# Altium PCB PCB2.PcbDoc (part 2 of 2)
Units mm, origin at the board's own origin, x right, y up, seen from the top; angles counter-clockwise.
Board outline 124.33 x 164.59 mm, 2 copper layers (Top Layer, Bottom Layer); 320 components, 0 nets, 960 pads, 0 vias.
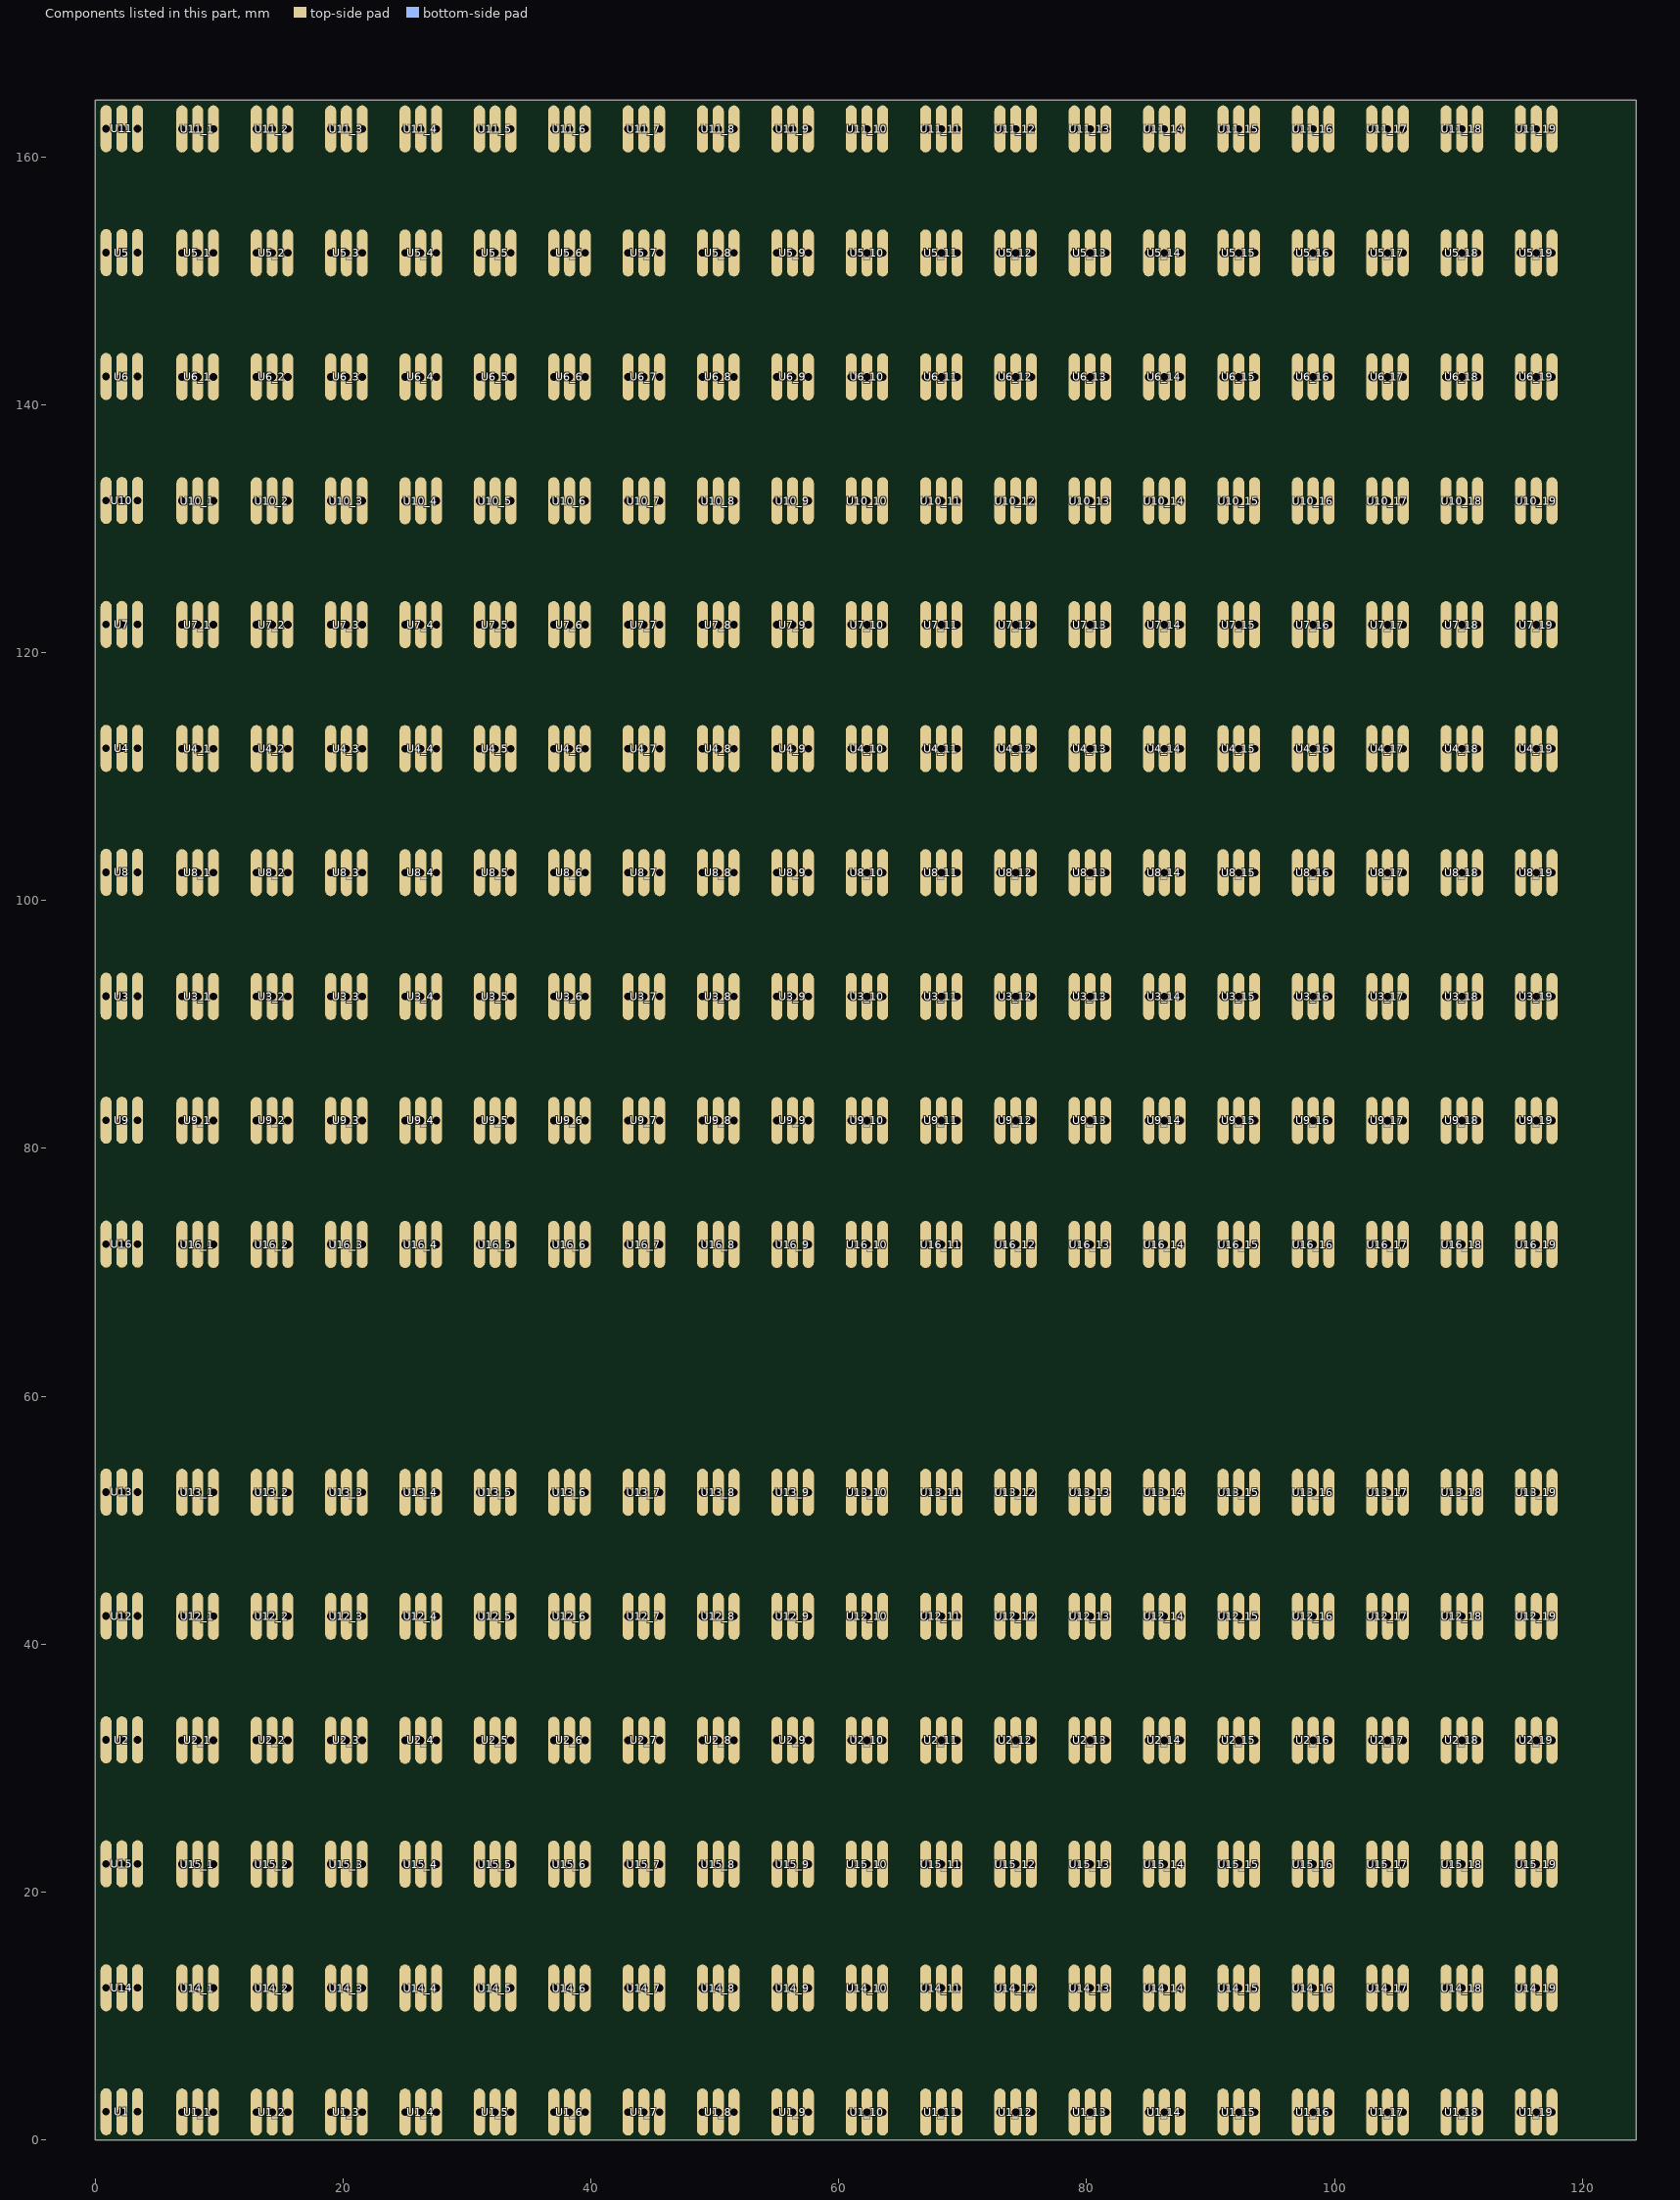
[diagram p2: the components of this part, seen from the top]

## Nets (pads, with @x,y where several pads share a name; then routed paths per layer and width w, separated by ;. In a path a pad name is that pad's centre, name@x,y a point inside that pad or via, vN(x,y) a via of type N, cw(c..) or ccw(c..) an arc to the next point about the centre after c; other vN are vias at no path point) (continued)
copper on no net: | length 19200
  Top Layer w0.8: 0.875,2.272 0.875,12.272 0.875,22.272 0.875,32.272 0.875,42.272 0.875,52.272 0.875,72.272 0.875,82.272 0.875,92.272 0.875,102.272 0.875,112.272 0.875,122.272 0.875,132.272 0.875,142.272 0.875,152.272 0.875,162.272 ; 2.145,2.272 2.145,12.272 2.145,22.272 2.145,32.272 2.145,42.272 2.145,52.272 2.145,72.272 2.145,82.272 2.145,92.272 2.145,102.272 2.145,112.272 2.145,122.272 2.145,132.272 2.145,142.272 2.145,152.272 2.145,162.272 ; 3.415,2.272 3.415,12.272 3.415,22.272 3.415,32.272 3.415,42.272 3.415,52.272 3.415,72.272 3.415,82.272 3.415,92.272 3.415,102.272 3.415,112.272 3.415,122.272 3.415,132.272 3.415,142.272 3.415,152.272 3.415,162.272 ; 7,2.247 7,12.247 7,22.247 7,32.247 7,42.247 7,52.247 7,72.247 7,82.247 7,92.247 7,102.247 7,112.247 7,122.247 7,132.247 7,142.247 7,152.247 7,162.247 ; 8.27,2.247 8.27,12.247 8.27,22.247 8.27,32.247 8.27,42.247 8.27,52.247 8.27,72.247 8.27,82.247 8.27,92.247 8.27,102.247 8.27,112.247 8.27,122.247 8.27,132.247 8.27,142.247 8.27,152.247 8.27,162.247 ; 9.54,2.247 9.54,12.247 9.54,22.247 9.54,32.247 9.54,42.247 9.54,52.247 9.54,72.247 9.54,82.247 9.54,92.247 9.54,102.247 9.54,112.247 9.54,122.247 9.54,132.247 9.54,142.247 9.54,152.247 9.54,162.247 ; 13,2.247 13,12.247 13,22.247 13,32.247 13,42.247 13,52.247 13,72.247 13,82.247 13,92.247 13,102.247 13,112.247 13,122.247 13,132.247 13,142.247 13,152.247 13,162.247 ; 14.27,2.247 14.27,12.247 14.27,22.247 14.27,32.247 14.27,42.247 14.27,52.247 14.27,72.247 14.27,82.247 14.27,92.247 14.27,102.247 14.27,112.247 14.27,122.247 14.27,132.247 14.27,142.247 14.27,152.247 14.27,162.247 ; 15.54,2.247 15.54,12.247 15.54,22.247 15.54,32.247 15.54,42.247 15.54,52.247 15.54,72.247 15.54,82.247 15.54,92.247 15.54,102.247 15.54,112.247 15.54,122.247 15.54,132.247 15.54,142.247 15.54,152.247 15.54,162.247 ; 19,2.247 19,12.247 19,22.247 19,32.247 19,42.247 19,52.247 19,72.247 19,82.247 19,92.247 19,102.247 19,112.247 19,122.247 19,132.247 19,142.247 19,152.247 19,162.247 ; 20.27,2.247 20.27,12.247 20.27,22.247 20.27,32.247 20.27,42.247 20.27,52.247 20.27,72.247 20.27,82.247 20.27,92.247 20.27,102.247 20.27,112.247 20.27,122.247 20.27,132.247 20.27,142.247 20.27,152.247 20.27,162.247 ; 21.54,2.247 21.54,12.247 21.54,22.247 21.54,32.247 21.54,42.247 21.54,52.247 21.54,72.247 21.54,82.247 21.54,92.247 21.54,102.247 21.54,112.247 21.54,122.247 21.54,132.247 21.54,142.247 21.54,152.247 21.54,162.247 ; 25,2.247 25,12.247 25,22.247 25,32.247 25,42.247 25,52.247 25,72.247 25,82.247 25,92.247 25,102.247 25,112.247 25,122.247 25,132.247 25,142.247 25,152.247 25,162.247 ; 26.27,2.247 26.27,12.247 26.27,22.247 26.27,32.247 26.27,42.247 26.27,52.247 26.27,72.247 26.27,82.247 26.27,92.247 26.27,102.247 26.27,112.247 26.27,122.247 26.27,132.247 26.27,142.247 26.27,152.247 26.27,162.247 ; 27.54,2.247 27.54,12.247 27.54,22.247 27.54,32.247 27.54,42.247 27.54,52.247 27.54,72.247 27.54,82.247 27.54,92.247 27.54,102.247 27.54,112.247 27.54,122.247 27.54,132.247 27.54,142.247 27.54,152.247 27.54,162.247 ; 31,2.247 31,12.247 31,22.247 31,32.247 31,42.247 31,52.247 31,72.247 31,82.247 31,92.247 31,102.247 31,112.247 31,122.247 31,132.247 31,142.247 31,152.247 31,162.247 ; 32.27,2.247 32.27,12.247 32.27,22.247 32.27,32.247 32.27,42.247 32.27,52.247 32.27,72.247 32.27,82.247 32.27,92.247 32.27,102.247 32.27,112.247 32.27,122.247 32.27,132.247 32.27,142.247 32.27,152.247 32.27,162.247 ; 33.54,2.247 33.54,12.247 33.54,22.247 33.54,32.247 33.54,42.247 33.54,52.247 33.54,72.247 33.54,82.247 33.54,92.247 33.54,102.247 33.54,112.247 33.54,122.247 33.54,132.247 33.54,142.247 33.54,152.247 33.54,162.247 ; 37,2.247 37,12.247 37,22.247 37,32.247 37,42.247 37,52.247 37,72.247 37,82.247 37,92.247 37,102.247 37,112.247 37,122.247 37,132.247 37,142.247 37,152.247 37,162.247 ; 38.27,2.247 38.27,12.247 38.27,22.247 38.27,32.247 38.27,42.247 38.27,52.247 38.27,72.247 38.27,82.247 38.27,92.247 38.27,102.247 38.27,112.247 38.27,122.247 38.27,132.247 38.27,142.247 38.27,152.247 38.27,162.247 ; 39.54,2.247 39.54,12.247 39.54,22.247 39.54,32.247 39.54,42.247 39.54,52.247 39.54,72.247 39.54,82.247 39.54,92.247 39.54,102.247 39.54,112.247 39.54,122.247 39.54,132.247 39.54,142.247 39.54,152.247 39.54,162.247 ; 43,2.247 43,12.247 43,22.247 43,32.247 43,42.247 43,52.247 43,72.247 43,82.247 43,92.247 43,102.247 43,112.247 43,122.247 43,132.247 43,142.247 43,152.247 43,162.247 ; 44.27,2.247 44.27,12.247 44.27,22.247 44.27,32.247 44.27,42.247 44.27,52.247 44.27,72.247 44.27,82.247 44.27,92.247 44.27,102.247 44.27,112.247 44.27,122.247 44.27,132.247 44.27,142.247 44.27,152.247 44.27,162.247 ; 45.54,2.247 45.54,12.247 45.54,22.247 45.54,32.247 45.54,42.247 45.54,52.247 45.54,72.247 45.54,82.247 45.54,92.247 45.54,102.247 45.54,112.247 45.54,122.247 45.54,132.247 45.54,142.247 45.54,152.247 45.54,162.247 ; 49,2.247 49,12.247 49,22.247 49,32.247 49,42.247 49,52.247 49,72.247 49,82.247 49,92.247 49,102.247 49,112.247 49,122.247 49,132.247 49,142.247 49,152.247 49,162.247 ; 50.27,2.247 50.27,12.247 50.27,22.247 50.27,32.247 50.27,42.247 50.27,52.247 50.27,72.247 50.27,82.247 50.27,92.247 50.27,102.247 50.27,112.247 50.27,122.247 50.27,132.247 50.27,142.247 50.27,152.247 50.27,162.247 ; 51.54,2.247 51.54,12.247 51.54,22.247 51.54,32.247 51.54,42.247 51.54,52.247 51.54,72.247 51.54,82.247 51.54,92.247 51.54,102.247 51.54,112.247 51.54,122.247 51.54,132.247 51.54,142.247 51.54,152.247 51.54,162.247 ; 55,2.247 55,12.247 55,22.247 55,32.247 55,42.247 55,52.247 55,72.247 55,82.247 55,92.247 55,102.247 55,112.247 55,122.247 55,132.247 55,142.247 55,152.247 55,162.247 ; 56.27,2.247 56.27,12.247 56.27,22.247 56.27,32.247 56.27,42.247 56.27,52.247 56.27,72.247 56.27,82.247 56.27,92.247 56.27,102.247 56.27,112.247 56.27,122.247 56.27,132.247 56.27,142.247 56.27,152.247 56.27,162.247 ; 57.54,2.247 57.54,12.247 57.54,22.247 57.54,32.247 57.54,42.247 57.54,52.247 57.54,72.247 57.54,82.247 57.54,92.247 57.54,102.247 57.54,112.247 57.54,122.247 57.54,132.247 57.54,142.247 57.54,152.247 57.54,162.247 ; 61,2.247 61,12.247 61,22.247 61,32.247 61,42.247 61,52.247 61,72.247 61,82.247 61,92.247 61,102.247 61,112.247 61,122.247 61,132.247 61,142.247 61,152.247 61,162.247 ; 62.27,2.247 62.27,12.247 62.27,22.247 62.27,32.247 62.27,42.247 62.27,52.247 62.27,72.247 62.27,82.247 62.27,92.247 62.27,102.247 62.27,112.247 62.27,122.247 62.27,132.247 62.27,142.247 62.27,152.247 62.27,162.247 ; 63.54,2.247 63.54,12.247 63.54,22.247 63.54,32.247 63.54,42.247 63.54,52.247 63.54,72.247 63.54,82.247 63.54,92.247 63.54,102.247 63.54,112.247 63.54,122.247 63.54,132.247 63.54,142.247 63.54,152.247 63.54,162.247 ; 67,2.247 67,12.247 67,22.247 67,32.247 67,42.247 67,52.247 67,72.247 67,82.247 67,92.247 67,102.247 67,112.247 67,122.247 67,132.247 67,142.247 67,152.247 67,162.247 ; 68.27,2.247 68.27,12.247 68.27,22.247 68.27,32.247 68.27,42.247 68.27,52.247 68.27,72.247 68.27,82.247 68.27,92.247 68.27,102.247 68.27,112.247 68.27,122.247 68.27,132.247 68.27,142.247 68.27,152.247 68.27,162.247 ; 69.54,2.247 69.54,12.247 69.54,22.247 69.54,32.247 69.54,42.247 69.54,52.247 69.54,72.247 69.54,82.247 69.54,92.247 69.54,102.247 69.54,112.247 69.54,122.247 69.54,132.247 69.54,142.247 69.54,152.247 69.54,162.247 ; 73,2.247 73,12.247 73,22.247 73,32.247 73,42.247 73,52.247 73,72.247 73,82.247 73,92.247 73,102.247 73,112.247 73,122.247 73,132.247 73,142.247 73,152.247 73,162.247 ; 74.27,2.247 74.27,12.247 74.27,22.247 74.27,32.247 74.27,42.247 74.27,52.247 74.27,72.247 74.27,82.247 74.27,92.247 74.27,102.247 74.27,112.247 74.27,122.247 74.27,132.247 74.27,142.247 74.27,152.247 74.27,162.247 ; 75.54,2.247 75.54,12.247 75.54,22.247 75.54,32.247 75.54,42.247 75.54,52.247 75.54,72.247 75.54,82.247 75.54,92.247 75.54,102.247 75.54,112.247 75.54,122.247 75.54,132.247 75.54,142.247 75.54,152.247 75.54,162.247 ; 79,2.247 79,12.247 79,22.247 79,32.247 79,42.247 79,52.247 79,72.247 79,82.247 79,92.247 79,102.247 79,112.247 79,122.247 79,132.247 79,142.247 79,152.247 79,162.247 ; 80.27,2.247 80.27,12.247 80.27,22.247 80.27,32.247 80.27,42.247 80.27,52.247 80.27,72.247 80.27,82.247 80.27,92.247 80.27,102.247 80.27,112.247 80.27,122.247 80.27,132.247 80.27,142.247 80.27,152.247 80.27,162.247 ; 81.54,2.247 81.54,12.247 81.54,22.247 81.54,32.247 81.54,42.247 81.54,52.247 81.54,72.247 81.54,82.247 81.54,92.247 81.54,102.247 81.54,112.247 81.54,122.247 81.54,132.247 81.54,142.247 81.54,152.247 81.54,162.247 ; 85,2.247 85,12.247 85,22.247 85,32.247 85,42.247 85,52.247 85,72.247 85,82.247 85,92.247 85,102.247 85,112.247 85,122.247 85,132.247 85,142.247 85,152.247 85,162.247 ; 86.27,2.247 86.27,12.247 86.27,22.247 86.27,32.247 86.27,42.247 86.27,52.247 86.27,72.247 86.27,82.247 86.27,92.247 86.27,102.247 86.27,112.247 86.27,122.247 86.27,132.247 86.27,142.247 86.27,152.247 86.27,162.247 ; 87.54,2.247 87.54,12.247 87.54,22.247 87.54,32.247 87.54,42.247 87.54,52.247 87.54,72.247 87.54,82.247 87.54,92.247 87.54,102.247 87.54,112.247 87.54,122.247 87.54,132.247 87.54,142.247 87.54,152.247 87.54,162.247 ; 91,2.247 91,12.247 91,22.247 91,32.247 91,42.247 91,52.247 91,72.247 91,82.247 91,92.247 91,102.247 91,112.247 91,122.247 91,132.247 91,142.247 91,152.247 91,162.247 ; 92.27,2.247 92.27,12.247 92.27,22.247 92.27,32.247 92.27,42.247 92.27,52.247 92.27,72.247 92.27,82.247 92.27,92.247 92.27,102.247 92.27,112.247 92.27,122.247 92.27,132.247 92.27,142.247 92.27,152.247 92.27,162.247 ; 93.54,2.247 93.54,12.247 93.54,22.247 93.54,32.247 93.54,42.247 93.54,52.247 93.54,72.247 93.54,82.247 93.54,92.247 93.54,102.247 93.54,112.247 93.54,122.247 93.54,132.247 93.54,142.247 93.54,152.247 93.54,162.247 ; 97,2.247 97,12.247 97,22.247 97,32.247 97,42.247 97,52.247 97,72.247 97,82.247 97,92.247 97,102.247 97,112.247 97,122.247 97,132.247 97,142.247 97,152.247 97,162.247 ; 98.27,2.247 98.27,12.247 98.27,22.247 98.27,32.247 98.27,42.247 98.27,52.247 98.27,72.247 98.27,82.247 98.27,92.247 98.27,102.247 98.27,112.247 98.27,122.247 98.27,132.247 98.27,142.247 98.27,152.247 98.27,162.247 ; 99.54,2.247 99.54,12.247 99.54,22.247 99.54,32.247 99.54,42.247 99.54,52.247 99.54,72.247 99.54,82.247 99.54,92.247 99.54,102.247 99.54,112.247 99.54,122.247 99.54,132.247 99.54,142.247 99.54,152.247 99.54,162.247 ; 103,2.247 103,12.247 103,22.247 103,32.247 103,42.247 103,52.247 103,72.247 103,82.247 103,92.247 103,102.247 103,112.247 103,122.247 103,132.247 103,142.247 103,152.247 103,162.247 ; 104.27,2.247 104.27,12.247 104.27,22.247 104.27,32.247 104.27,42.247 104.27,52.247 104.27,72.247 104.27,82.247 104.27,92.247 104.27,102.247 104.27,112.247 104.27,122.247 104.27,132.247 104.27,142.247 104.27,152.247 104.27,162.247 ; 105.54,2.247 105.54,12.247 105.54,22.247 105.54,32.247 105.54,42.247 105.54,52.247 105.54,72.247 105.54,82.247 105.54,92.247 105.54,102.247 105.54,112.247 105.54,122.247 105.54,132.247 105.54,142.247 105.54,152.247 105.54,162.247 ; 109,2.247 109,12.247 109,22.247 109,32.247 109,42.247 109,52.247 109,72.247 109,82.247 109,92.247 109,102.247 109,112.247 109,122.247 109,132.247 109,142.247 109,152.247 109,162.247 ; 110.27,2.247 110.27,12.247 110.27,22.247 110.27,32.247 110.27,42.247 110.27,52.247 110.27,72.247 110.27,82.247 110.27,92.247 110.27,102.247 110.27,112.247 110.27,122.247 110.27,132.247 110.27,142.247 110.27,152.247 110.27,162.247 ; 111.54,2.247 111.54,12.247 111.54,22.247 111.54,32.247 111.54,42.247 111.54,52.247 111.54,72.247 111.54,82.247 111.54,92.247 111.54,102.247 111.54,112.247 111.54,122.247 111.54,132.247 111.54,142.247 111.54,152.247 111.54,162.247 ; 115,2.247 115,12.247 115,22.247 115,32.247 115,42.247 115,52.247 115,72.247 115,82.247 115,92.247 115,102.247 115,112.247 115,122.247 115,132.247 115,142.247 115,152.247 115,162.247 ; 116.27,2.247 116.27,12.247 116.27,22.247 116.27,32.247 116.27,42.247 116.27,52.247 116.27,72.247 116.27,82.247 116.27,92.247 116.27,102.247 116.27,112.247 116.27,122.247 116.27,132.247 116.27,142.247 116.27,152.247 116.27,162.247 ; 117.54,2.247 117.54,12.247 117.54,22.247 117.54,32.247 117.54,42.247 117.54,52.247 117.54,72.247 117.54,82.247 117.54,92.247 117.54,102.247 117.54,112.247 117.54,122.247 117.54,132.247 117.54,142.247 117.54,152.247 117.54,162.247
  Bottom Layer w0.8: 0.875,2.272 0.875,12.272 0.875,22.272 0.875,32.272 0.875,42.272 0.875,52.272 0.875,72.272 0.875,82.272 0.875,92.272 0.875,102.272 0.875,112.272 0.875,122.272 0.875,132.272 0.875,142.272 0.875,152.272 0.875,162.272 ; 2.145,2.272 2.145,12.272 2.145,22.272 2.145,32.272 2.145,42.272 2.145,52.272 2.145,72.272 2.145,82.272 2.145,92.272 2.145,102.272 2.145,112.272 2.145,122.272 2.145,132.272 2.145,142.272 2.145,152.272 2.145,162.272 ; 3.415,2.272 3.415,12.272 3.415,22.272 3.415,32.272 3.415,42.272 3.415,52.272 3.415,72.272 3.415,82.272 3.415,92.272 3.415,102.272 3.415,112.272 3.415,122.272 3.415,132.272 3.415,142.272 3.415,152.272 3.415,162.272 ; 7,2.247 7,12.247 7,22.247 7,32.247 7,42.247 7,52.247 7,72.247 7,82.247 7,92.247 7,102.247 7,112.247 7,122.247 7,132.247 7,142.247 7,152.247 7,162.247 ; 8.27,2.247 8.27,12.247 8.27,22.247 8.27,32.247 8.27,42.247 8.27,52.247 8.27,72.247 8.27,82.247 8.27,92.247 8.27,102.247 8.27,112.247 8.27,122.247 8.27,132.247 8.27,142.247 8.27,152.247 8.27,162.247 ; 9.54,2.247 9.54,12.247 9.54,22.247 9.54,32.247 9.54,42.247 9.54,52.247 9.54,72.247 9.54,82.247 9.54,92.247 9.54,102.247 9.54,112.247 9.54,122.247 9.54,132.247 9.54,142.247 9.54,152.247 9.54,162.247 ; 13,2.247 13,12.247 13,22.247 13,32.247 13,42.247 13,52.247 13,72.247 13,82.247 13,92.247 13,102.247 13,112.247 13,122.247 13,132.247 13,142.247 13,152.247 13,162.247 ; 14.27,2.247 14.27,12.247 14.27,22.247 14.27,32.247 14.27,42.247 14.27,52.247 14.27,72.247 14.27,82.247 14.27,92.247 14.27,102.247 14.27,112.247 14.27,122.247 14.27,132.247 14.27,142.247 14.27,152.247 14.27,162.247 ; 15.54,2.247 15.54,12.247 15.54,22.247 15.54,32.247 15.54,42.247 15.54,52.247 15.54,72.247 15.54,82.247 15.54,92.247 15.54,102.247 15.54,112.247 15.54,122.247 15.54,132.247 15.54,142.247 15.54,152.247 15.54,162.247 ; 19,2.247 19,12.247 19,22.247 19,32.247 19,42.247 19,52.247 19,72.247 19,82.247 19,92.247 19,102.247 19,112.247 19,122.247 19,132.247 19,142.247 19,152.247 19,162.247 ; 20.27,2.247 20.27,12.247 20.27,22.247 20.27,32.247 20.27,42.247 20.27,52.247 20.27,72.247 20.27,82.247 20.27,92.247 20.27,102.247 20.27,112.247 20.27,122.247 20.27,132.247 20.27,142.247 20.27,152.247 20.27,162.247 ; 21.54,2.247 21.54,12.247 21.54,22.247 21.54,32.247 21.54,42.247 21.54,52.247 21.54,72.247 21.54,82.247 21.54,92.247 21.54,102.247 21.54,112.247 21.54,122.247 21.54,132.247 21.54,142.247 21.54,152.247 21.54,162.247 ; 25,2.247 25,12.247 25,22.247 25,32.247 25,42.247 25,52.247 25,72.247 25,82.247 25,92.247 25,102.247 25,112.247 25,122.247 25,132.247 25,142.247 25,152.247 25,162.247 ; 26.27,2.247 26.27,12.247 26.27,22.247 26.27,32.247 26.27,42.247 26.27,52.247 26.27,72.247 26.27,82.247 26.27,92.247 26.27,102.247 26.27,112.247 26.27,122.247 26.27,132.247 26.27,142.247 26.27,152.247 26.27,162.247 ; 27.54,2.247 27.54,12.247 27.54,22.247 27.54,32.247 27.54,42.247 27.54,52.247 27.54,72.247 27.54,82.247 27.54,92.247 27.54,102.247 27.54,112.247 27.54,122.247 27.54,132.247 27.54,142.247 27.54,152.247 27.54,162.247 ; 31,2.247 31,12.247 31,22.247 31,32.247 31,42.247 31,52.247 31,72.247 31,82.247 31,92.247 31,102.247 31,112.247 31,122.247 31,132.247 31,142.247 31,152.247 31,162.247 ; 32.27,2.247 32.27,12.247 32.27,22.247 32.27,32.247 32.27,42.247 32.27,52.247 32.27,72.247 32.27,82.247 32.27,92.247 32.27,102.247 32.27,112.247 32.27,122.247 32.27,132.247 32.27,142.247 32.27,152.247 32.27,162.247 ; 33.54,2.247 33.54,12.247 33.54,22.247 33.54,32.247 33.54,42.247 33.54,52.247 33.54,72.247 33.54,82.247 33.54,92.247 33.54,102.247 33.54,112.247 33.54,122.247 33.54,132.247 33.54,142.247 33.54,152.247 33.54,162.247 ; 37,2.247 37,12.247 37,22.247 37,32.247 37,42.247 37,52.247 37,72.247 37,82.247 37,92.247 37,102.247 37,112.247 37,122.247 37,132.247 37,142.247 37,152.247 37,162.247 ; 38.27,2.247 38.27,12.247 38.27,22.247 38.27,32.247 38.27,42.247 38.27,52.247 38.27,72.247 38.27,82.247 38.27,92.247 38.27,102.247 38.27,112.247 38.27,122.247 38.27,132.247 38.27,142.247 38.27,152.247 38.27,162.247 ; 39.54,2.247 39.54,12.247 39.54,22.247 39.54,32.247 39.54,42.247 39.54,52.247 39.54,72.247 39.54,82.247 39.54,92.247 39.54,102.247 39.54,112.247 39.54,122.247 39.54,132.247 39.54,142.247 39.54,152.247 39.54,162.247 ; 43,2.247 43,12.247 43,22.247 43,32.247 43,42.247 43,52.247 43,72.247 43,82.247 43,92.247 43,102.247 43,112.247 43,122.247 43,132.247 43,142.247 43,152.247 43,162.247 ; 44.27,2.247 44.27,12.247 44.27,22.247 44.27,32.247 44.27,42.247 44.27,52.247 44.27,72.247 44.27,82.247 44.27,92.247 44.27,102.247 44.27,112.247 44.27,122.247 44.27,132.247 44.27,142.247 44.27,152.247 44.27,162.247 ; 45.54,2.247 45.54,12.247 45.54,22.247 45.54,32.247 45.54,42.247 45.54,52.247 45.54,72.247 45.54,82.247 45.54,92.247 45.54,102.247 45.54,112.247 45.54,122.247 45.54,132.247 45.54,142.247 45.54,152.247 45.54,162.247 ; 49,2.247 49,12.247 49,22.247 49,32.247 49,42.247 49,52.247 49,72.247 49,82.247 49,92.247 49,102.247 49,112.247 49,122.247 49,132.247 49,142.247 49,152.247 49,162.247 ; 50.27,2.247 50.27,12.247 50.27,22.247 50.27,32.247 50.27,42.247 50.27,52.247 50.27,72.247 50.27,82.247 50.27,92.247 50.27,102.247 50.27,112.247 50.27,122.247 50.27,132.247 50.27,142.247 50.27,152.247 50.27,162.247 ; 51.54,2.247 51.54,12.247 51.54,22.247 51.54,32.247 51.54,42.247 51.54,52.247 51.54,72.247 51.54,82.247 51.54,92.247 51.54,102.247 51.54,112.247 51.54,122.247 51.54,132.247 51.54,142.247 51.54,152.247 51.54,162.247 ; 55,2.247 55,12.247 55,22.247 55,32.247 55,42.247 55,52.247 55,72.247 55,82.247 55,92.247 55,102.247 55,112.247 55,122.247 55,132.247 55,142.247 55,152.247 55,162.247 ; 56.27,2.247 56.27,12.247 56.27,22.247 56.27,32.247 56.27,42.247 56.27,52.247 56.27,72.247 56.27,82.247 56.27,92.247 56.27,102.247 56.27,112.247 56.27,122.247 56.27,132.247 56.27,142.247 56.27,152.247 56.27,162.247 ; 57.54,2.247 57.54,12.247 57.54,22.247 57.54,32.247 57.54,42.247 57.54,52.247 57.54,72.247 57.54,82.247 57.54,92.247 57.54,102.247 57.54,112.247 57.54,122.247 57.54,132.247 57.54,142.247 57.54,152.247 57.54,162.247 ; 61,2.247 61,12.247 61,22.247 61,32.247 61,42.247 61,52.247 61,72.247 61,82.247 61,92.247 61,102.247 61,112.247 61,122.247 61,132.247 61,142.247 61,152.247 61,162.247 ; 62.27,2.247 62.27,12.247 62.27,22.247 62.27,32.247 62.27,42.247 62.27,52.247 62.27,72.247 62.27,82.247 62.27,92.247 62.27,102.247 62.27,112.247 62.27,122.247 62.27,132.247 62.27,142.247 62.27,152.247 62.27,162.247 ; 63.54,2.247 63.54,12.247 63.54,22.247 63.54,32.247 63.54,42.247 63.54,52.247 63.54,72.247 63.54,82.247 63.54,92.247 63.54,102.247 63.54,112.247 63.54,122.247 63.54,132.247 63.54,142.247 63.54,152.247 63.54,162.247 ; 67,2.247 67,12.247 67,22.247 67,32.247 67,42.247 67,52.247 67,72.247 67,82.247 67,92.247 67,102.247 67,112.247 67,122.247 67,132.247 67,142.247 67,152.247 67,162.247 ; 68.27,2.247 68.27,12.247 68.27,22.247 68.27,32.247 68.27,42.247 68.27,52.247 68.27,72.247 68.27,82.247 68.27,92.247 68.27,102.247 68.27,112.247 68.27,122.247 68.27,132.247 68.27,142.247 68.27,152.247 68.27,162.247 ; 69.54,2.247 69.54,12.247 69.54,22.247 69.54,32.247 69.54,42.247 69.54,52.247 69.54,72.247 69.54,82.247 69.54,92.247 69.54,102.247 69.54,112.247 69.54,122.247 69.54,132.247 69.54,142.247 69.54,152.247 69.54,162.247 ; 73,2.247 73,12.247 73,22.247 73,32.247 73,42.247 73,52.247 73,72.247 73,82.247 73,92.247 73,102.247 73,112.247 73,122.247 73,132.247 73,142.247 73,152.247 73,162.247 ; 74.27,2.247 74.27,12.247 74.27,22.247 74.27,32.247 74.27,42.247 74.27,52.247 74.27,72.247 74.27,82.247 74.27,92.247 74.27,102.247 74.27,112.247 74.27,122.247 74.27,132.247 74.27,142.247 74.27,152.247 74.27,162.247 ; 75.54,2.247 75.54,12.247 75.54,22.247 75.54,32.247 75.54,42.247 75.54,52.247 75.54,72.247 75.54,82.247 75.54,92.247 75.54,102.247 75.54,112.247 75.54,122.247 75.54,132.247 75.54,142.247 75.54,152.247 75.54,162.247 ; 79,2.247 79,12.247 79,22.247 79,32.247 79,42.247 79,52.247 79,72.247 79,82.247 79,92.247 79,102.247 79,112.247 79,122.247 79,132.247 79,142.247 79,152.247 79,162.247 ; 80.27,2.247 80.27,12.247 80.27,22.247 80.27,32.247 80.27,42.247 80.27,52.247 80.27,72.247 80.27,82.247 80.27,92.247 80.27,102.247 80.27,112.247 80.27,122.247 80.27,132.247 80.27,142.247 80.27,152.247 80.27,162.247 ; 81.54,2.247 81.54,12.247 81.54,22.247 81.54,32.247 81.54,42.247 81.54,52.247 81.54,72.247 81.54,82.247 81.54,92.247 81.54,102.247 81.54,112.247 81.54,122.247 81.54,132.247 81.54,142.247 81.54,152.247 81.54,162.247 ; 85,2.247 85,12.247 85,22.247 85,32.247 85,42.247 85,52.247 85,72.247 85,82.247 85,92.247 85,102.247 85,112.247 85,122.247 85,132.247 85,142.247 85,152.247 85,162.247 ; 86.27,2.247 86.27,12.247 86.27,22.247 86.27,32.247 86.27,42.247 86.27,52.247 86.27,72.247 86.27,82.247 86.27,92.247 86.27,102.247 86.27,112.247 86.27,122.247 86.27,132.247 86.27,142.247 86.27,152.247 86.27,162.247 ; 87.54,2.247 87.54,12.247 87.54,22.247 87.54,32.247 87.54,42.247 87.54,52.247 87.54,72.247 87.54,82.247 87.54,92.247 87.54,102.247 87.54,112.247 87.54,122.247 87.54,132.247 87.54,142.247 87.54,152.247 87.54,162.247 ; 91,2.247 91,12.247 91,22.247 91,32.247 91,42.247 91,52.247 91,72.247 91,82.247 91,92.247 91,102.247 91,112.247 91,122.247 91,132.247 91,142.247 91,152.247 91,162.247 ; 92.27,2.247 92.27,12.247 92.27,22.247 92.27,32.247 92.27,42.247 92.27,52.247 92.27,72.247 92.27,82.247 92.27,92.247 92.27,102.247 92.27,112.247 92.27,122.247 92.27,132.247 92.27,142.247 92.27,152.247 92.27,162.247 ; 93.54,2.247 93.54,12.247 93.54,22.247 93.54,32.247 93.54,42.247 93.54,52.247 93.54,72.247 93.54,82.247 93.54,92.247 93.54,102.247 93.54,112.247 93.54,122.247 93.54,132.247 93.54,142.247 93.54,152.247 93.54,162.247 ; 97,2.247 97,12.247 97,22.247 97,32.247 97,42.247 97,52.247 97,72.247 97,82.247 97,92.247 97,102.247 97,112.247 97,122.247 97,132.247 97,142.247 97,152.247 97,162.247 ; 98.27,2.247 98.27,12.247 98.27,22.247 98.27,32.247 98.27,42.247 98.27,52.247 98.27,72.247 98.27,82.247 98.27,92.247 98.27,102.247 98.27,112.247 98.27,122.247 98.27,132.247 98.27,142.247 98.27,152.247 98.27,162.247 ; 99.54,2.247 99.54,12.247 99.54,22.247 99.54,32.247 99.54,42.247 99.54,52.247 99.54,72.247 99.54,82.247 99.54,92.247 99.54,102.247 99.54,112.247 99.54,122.247 99.54,132.247 99.54,142.247 99.54,152.247 99.54,162.247 ; 103,2.247 103,12.247 103,22.247 103,32.247 103,42.247 103,52.247 103,72.247 103,82.247 103,92.247 103,102.247 103,112.247 103,122.247 103,132.247 103,142.247 103,152.247 103,162.247 ; 104.27,2.247 104.27,12.247 104.27,22.247 104.27,32.247 104.27,42.247 104.27,52.247 104.27,72.247 104.27,82.247 104.27,92.247 104.27,102.247 104.27,112.247 104.27,122.247 104.27,132.247 104.27,142.247 104.27,152.247 104.27,162.247 ; 105.54,2.247 105.54,12.247 105.54,22.247 105.54,32.247 105.54,42.247 105.54,52.247 105.54,72.247 105.54,82.247 105.54,92.247 105.54,102.247 105.54,112.247 105.54,122.247 105.54,132.247 105.54,142.247 105.54,152.247 105.54,162.247 ; 109,2.247 109,12.247 109,22.247 109,32.247 109,42.247 109,52.247 109,72.247 109,82.247 109,92.247 109,102.247 109,112.247 109,122.247 109,132.247 109,142.247 109,152.247 109,162.247 ; 110.27,2.247 110.27,12.247 110.27,22.247 110.27,32.247 110.27,42.247 110.27,52.247 110.27,72.247 110.27,82.247 110.27,92.247 110.27,102.247 110.27,112.247 110.27,122.247 110.27,132.247 110.27,142.247 110.27,152.247 110.27,162.247 ; 111.54,2.247 111.54,12.247 111.54,22.247 111.54,32.247 111.54,42.247 111.54,52.247 111.54,72.247 111.54,82.247 111.54,92.247 111.54,102.247 111.54,112.247 111.54,122.247 111.54,132.247 111.54,142.247 111.54,152.247 111.54,162.247 ; 115,2.247 115,12.247 115,22.247 115,32.247 115,42.247 115,52.247 115,72.247 115,82.247 115,92.247 115,102.247 115,112.247 115,122.247 115,132.247 115,142.247 115,152.247 115,162.247 ; 116.27,2.247 116.27,12.247 116.27,22.247 116.27,32.247 116.27,42.247 116.27,52.247 116.27,72.247 116.27,82.247 116.27,92.247 116.27,102.247 116.27,112.247 116.27,122.247 116.27,132.247 116.27,142.247 116.27,152.247 116.27,162.247 ; 117.54,2.247 117.54,12.247 117.54,22.247 117.54,32.247 117.54,42.247 117.54,52.247 117.54,72.247 117.54,82.247 117.54,92.247 117.54,102.247 117.54,112.247 117.54,122.247 117.54,132.247 117.54,142.247 117.54,152.247 117.54,162.247

## Polygon pours and split planes (outlines as drawn)
no net on Top Layer "NONET_L01_P116" (solid, pour order 116): 108.111,14.555 117.111,14.555 117.111,-3.445 108.111,-3.445 108.111,14.555 117.111,14.555 117.111,-3.445 108.111,-3.445
no net on Top Layer "NONET_L01_P117" (solid, pour order 117): 108.111,14.555 117.111,14.555 117.111,-3.445 108.111,-3.445 108.111,14.555 117.111,14.555 117.111,-3.445 108.111,-3.445
no net on Top Layer "NONET_L01_P114" (solid, pour order 114): 102.111,14.555 111.111,14.555 111.111,-3.445 102.111,-3.445 102.111,14.555 111.111,14.555 111.111,-3.445 102.111,-3.445
no net on Top Layer "NONET_L01_P115" (solid, pour order 115): 102.111,14.555 111.111,14.555 111.111,-3.445 102.111,-3.445 102.111,14.555 111.111,14.555 111.111,-3.445 102.111,-3.445
no net on Top Layer "NONET_L01_P113" (solid, pour order 113): 96.111,14.555 105.111,14.555 105.111,-3.445 96.111,-3.445 96.111,14.555 105.111,14.555 105.111,-3.445 96.111,-3.445
no net on Top Layer "NONET_L01_P112" (solid, pour order 112): 96.111,14.555 105.111,14.555 105.111,-3.445 96.111,-3.445 96.111,14.555 105.111,14.555 105.111,-3.445 96.111,-3.445
no net on Top Layer "NONET_L01_P111" (solid, pour order 111): 90.111,14.555 99.111,14.555 99.111,-3.445 90.111,-3.445 90.111,14.555 99.111,14.555 99.111,-3.445 90.111,-3.445
no net on Top Layer "NONET_L01_P110" (solid, pour order 110): 90.111,14.555 99.111,14.555 99.111,-3.445 90.111,-3.445 90.111,14.555 99.111,14.555 99.111,-3.445 90.111,-3.445
no net on Top Layer "NONET_L01_P109" (solid, pour order 109): 84.111,14.555 93.111,14.555 93.111,-3.445 84.111,-3.445 84.111,14.555 93.111,14.555 93.111,-3.445 84.111,-3.445
no net on Top Layer "NONET_L01_P108" (solid, pour order 108): 84.111,14.555 93.111,14.555 93.111,-3.445 84.111,-3.445 84.111,14.555 93.111,14.555 93.111,-3.445 84.111,-3.445
no net on Top Layer "NONET_L01_P107" (solid, pour order 107): 78.111,14.555 87.111,14.555 87.111,-3.445 78.111,-3.445 78.111,14.555 87.111,14.555 87.111,-3.445 78.111,-3.445
no net on Top Layer "NONET_L01_P106" (solid, pour order 106): 78.111,14.555 87.111,14.555 87.111,-3.445 78.111,-3.445 78.111,14.555 87.111,14.555 87.111,-3.445 78.111,-3.445
no net on Top Layer "NONET_L01_P105" (solid, pour order 105): 72.111,14.555 81.111,14.555 81.111,-3.445 72.111,-3.445 72.111,14.555 81.111,14.555 81.111,-3.445 72.111,-3.445
no net on Top Layer "NONET_L01_P104" (solid, pour order 104): 72.111,14.555 81.111,14.555 81.111,-3.445 72.111,-3.445 72.111,14.555 81.111,14.555 81.111,-3.445 72.111,-3.445
no net on Top Layer "NONET_L01_P103" (solid, pour order 103): 66.111,14.555 75.111,14.555 75.111,-3.445 66.111,-3.445 66.111,14.555 75.111,14.555 75.111,-3.445 66.111,-3.445
no net on Top Layer "NONET_L01_P102" (solid, pour order 102): 66.111,14.555 75.111,14.555 75.111,-3.445 66.111,-3.445 66.111,14.555 75.111,14.555 75.111,-3.445 66.111,-3.445
no net on Top Layer "NONET_L01_P101" (solid, pour order 101): 60.111,14.555 69.111,14.555 69.111,-3.445 60.111,-3.445 60.111,14.555 69.111,14.555 69.111,-3.445 60.111,-3.445
no net on Top Layer "NONET_L01_P100" (solid, pour order 100): 60.111,14.555 69.111,14.555 69.111,-3.445 60.111,-3.445 60.111,14.555 69.111,14.555 69.111,-3.445 60.111,-3.445
no net on Top Layer "NONET_L01_P099" (solid, pour order 99): 54.111,14.555 63.111,14.555 63.111,-3.445 54.111,-3.445 54.111,14.555 63.111,14.555 63.111,-3.445 54.111,-3.445
no net on Top Layer "NONET_L01_P098" (solid, pour order 98): 54.111,14.555 63.111,14.555 63.111,-3.445 54.111,-3.445 54.111,14.555 63.111,14.555 63.111,-3.445 54.111,-3.445
no net on Top Layer "NONET_L01_P097" (solid, pour order 97): 48.111,14.555 57.111,14.555 57.111,-3.445 48.111,-3.445 48.111,14.555 57.111,14.555 57.111,-3.445 48.111,-3.445
no net on Top Layer "NONET_L01_P096" (solid, pour order 96): 48.111,14.555 57.111,14.555 57.111,-3.445 48.111,-3.445 48.111,14.555 57.111,14.555 57.111,-3.445 48.111,-3.445
no net on Top Layer "NONET_L01_P095" (solid, pour order 95): 42.111,14.555 51.111,14.555 51.111,-3.445 42.111,-3.445 42.111,14.555 51.111,14.555 51.111,-3.445 42.111,-3.445
no net on Top Layer "NONET_L01_P094" (solid, pour order 94): 42.111,14.555 51.111,14.555 51.111,-3.445 42.111,-3.445 42.111,14.555 51.111,14.555 51.111,-3.445 42.111,-3.445
no net on Top Layer "NONET_L01_P093" (solid, pour order 93): 36.111,14.555 45.111,14.555 45.111,-3.445 36.111,-3.445 36.111,14.555 45.111,14.555 45.111,-3.445 36.111,-3.445
no net on Top Layer "NONET_L01_P092" (solid, pour order 92): 36.111,14.555 45.111,14.555 45.111,-3.445 36.111,-3.445 36.111,14.555 45.111,14.555 45.111,-3.445 36.111,-3.445
no net on Top Layer "NONET_L01_P091" (solid, pour order 91): 30.111,14.555 39.111,14.555 39.111,-3.445 30.111,-3.445 30.111,14.555 39.111,14.555 39.111,-3.445 30.111,-3.445
no net on Top Layer "NONET_L01_P090" (solid, pour order 90): 30.111,14.555 39.111,14.555 39.111,-3.445 30.111,-3.445 30.111,14.555 39.111,14.555 39.111,-3.445 30.111,-3.445
no net on Top Layer "NONET_L01_P089" (solid, pour order 89): 24.111,14.555 33.111,14.555 33.111,-3.445 24.111,-3.445 24.111,14.555 33.111,14.555 33.111,-3.445 24.111,-3.445
no net on Top Layer "NONET_L01_P088" (solid, pour order 88): 24.111,14.555 33.111,14.555 33.111,-3.445 24.111,-3.445 24.111,14.555 33.111,14.555 33.111,-3.445 24.111,-3.445
no net on Top Layer "NONET_L01_P087" (solid, pour order 87): 18.111,14.555 27.111,14.555 27.111,-3.445 18.111,-3.445 18.111,14.555 27.111,14.555 27.111,-3.445 18.111,-3.445
no net on Top Layer "NONET_L01_P086" (solid, pour order 86): 18.111,14.555 27.111,14.555 27.111,-3.445 18.111,-3.445 18.111,14.555 27.111,14.555 27.111,-3.445 18.111,-3.445
no net on Top Layer "NONET_L01_P085" (solid, pour order 85): 12.111,14.555 21.111,14.555 21.111,-3.445 12.111,-3.445 12.111,14.555 21.111,14.555 21.111,-3.445 12.111,-3.445
no net on Top Layer "NONET_L01_P084" (solid, pour order 84): 12.111,14.555 21.111,14.555 21.111,-3.445 12.111,-3.445 12.111,14.555 21.111,14.555 21.111,-3.445 12.111,-3.445
no net on Top Layer "NONET_L01_P083" (solid, pour order 83): 6.111,14.555 15.111,14.555 15.111,-3.445 6.111,-3.445 6.111,14.555 15.111,14.555 15.111,-3.445 6.111,-3.445
no net on Top Layer "NONET_L01_P082" (solid, pour order 82): 6.111,14.555 15.111,14.555 15.111,-3.445 6.111,-3.445 6.111,14.555 15.111,14.555 15.111,-3.445 6.111,-3.445
no net on Top Layer "NONET_L01_P001" (solid, pour order 1): -0.014,14.58 8.986,14.58 8.986,-3.42 -0.014,-3.42 -0.014,14.58 8.986,14.58 8.986,-3.42 -0.014,-3.42
no net on Top Layer "NONET_L01_P000" (solid, pour order 0): -0.014,14.58 8.986,14.58 8.986,-3.42 -0.014,-3.42 -0.014,14.58 8.986,14.58 8.986,-3.42 -0.014,-3.42

## Keep-outs
Keep-Out Layer:
  the board outline again, w0.2

## Silkscreen, mask and mechanical layers (free items; w line width, h text height)
Top Overlay:
  text "123" at 6.004,64.504 h1.52